# Altium PCB FIT_TDC_ADC.PcbDoc (part 8 of 10) (continued)
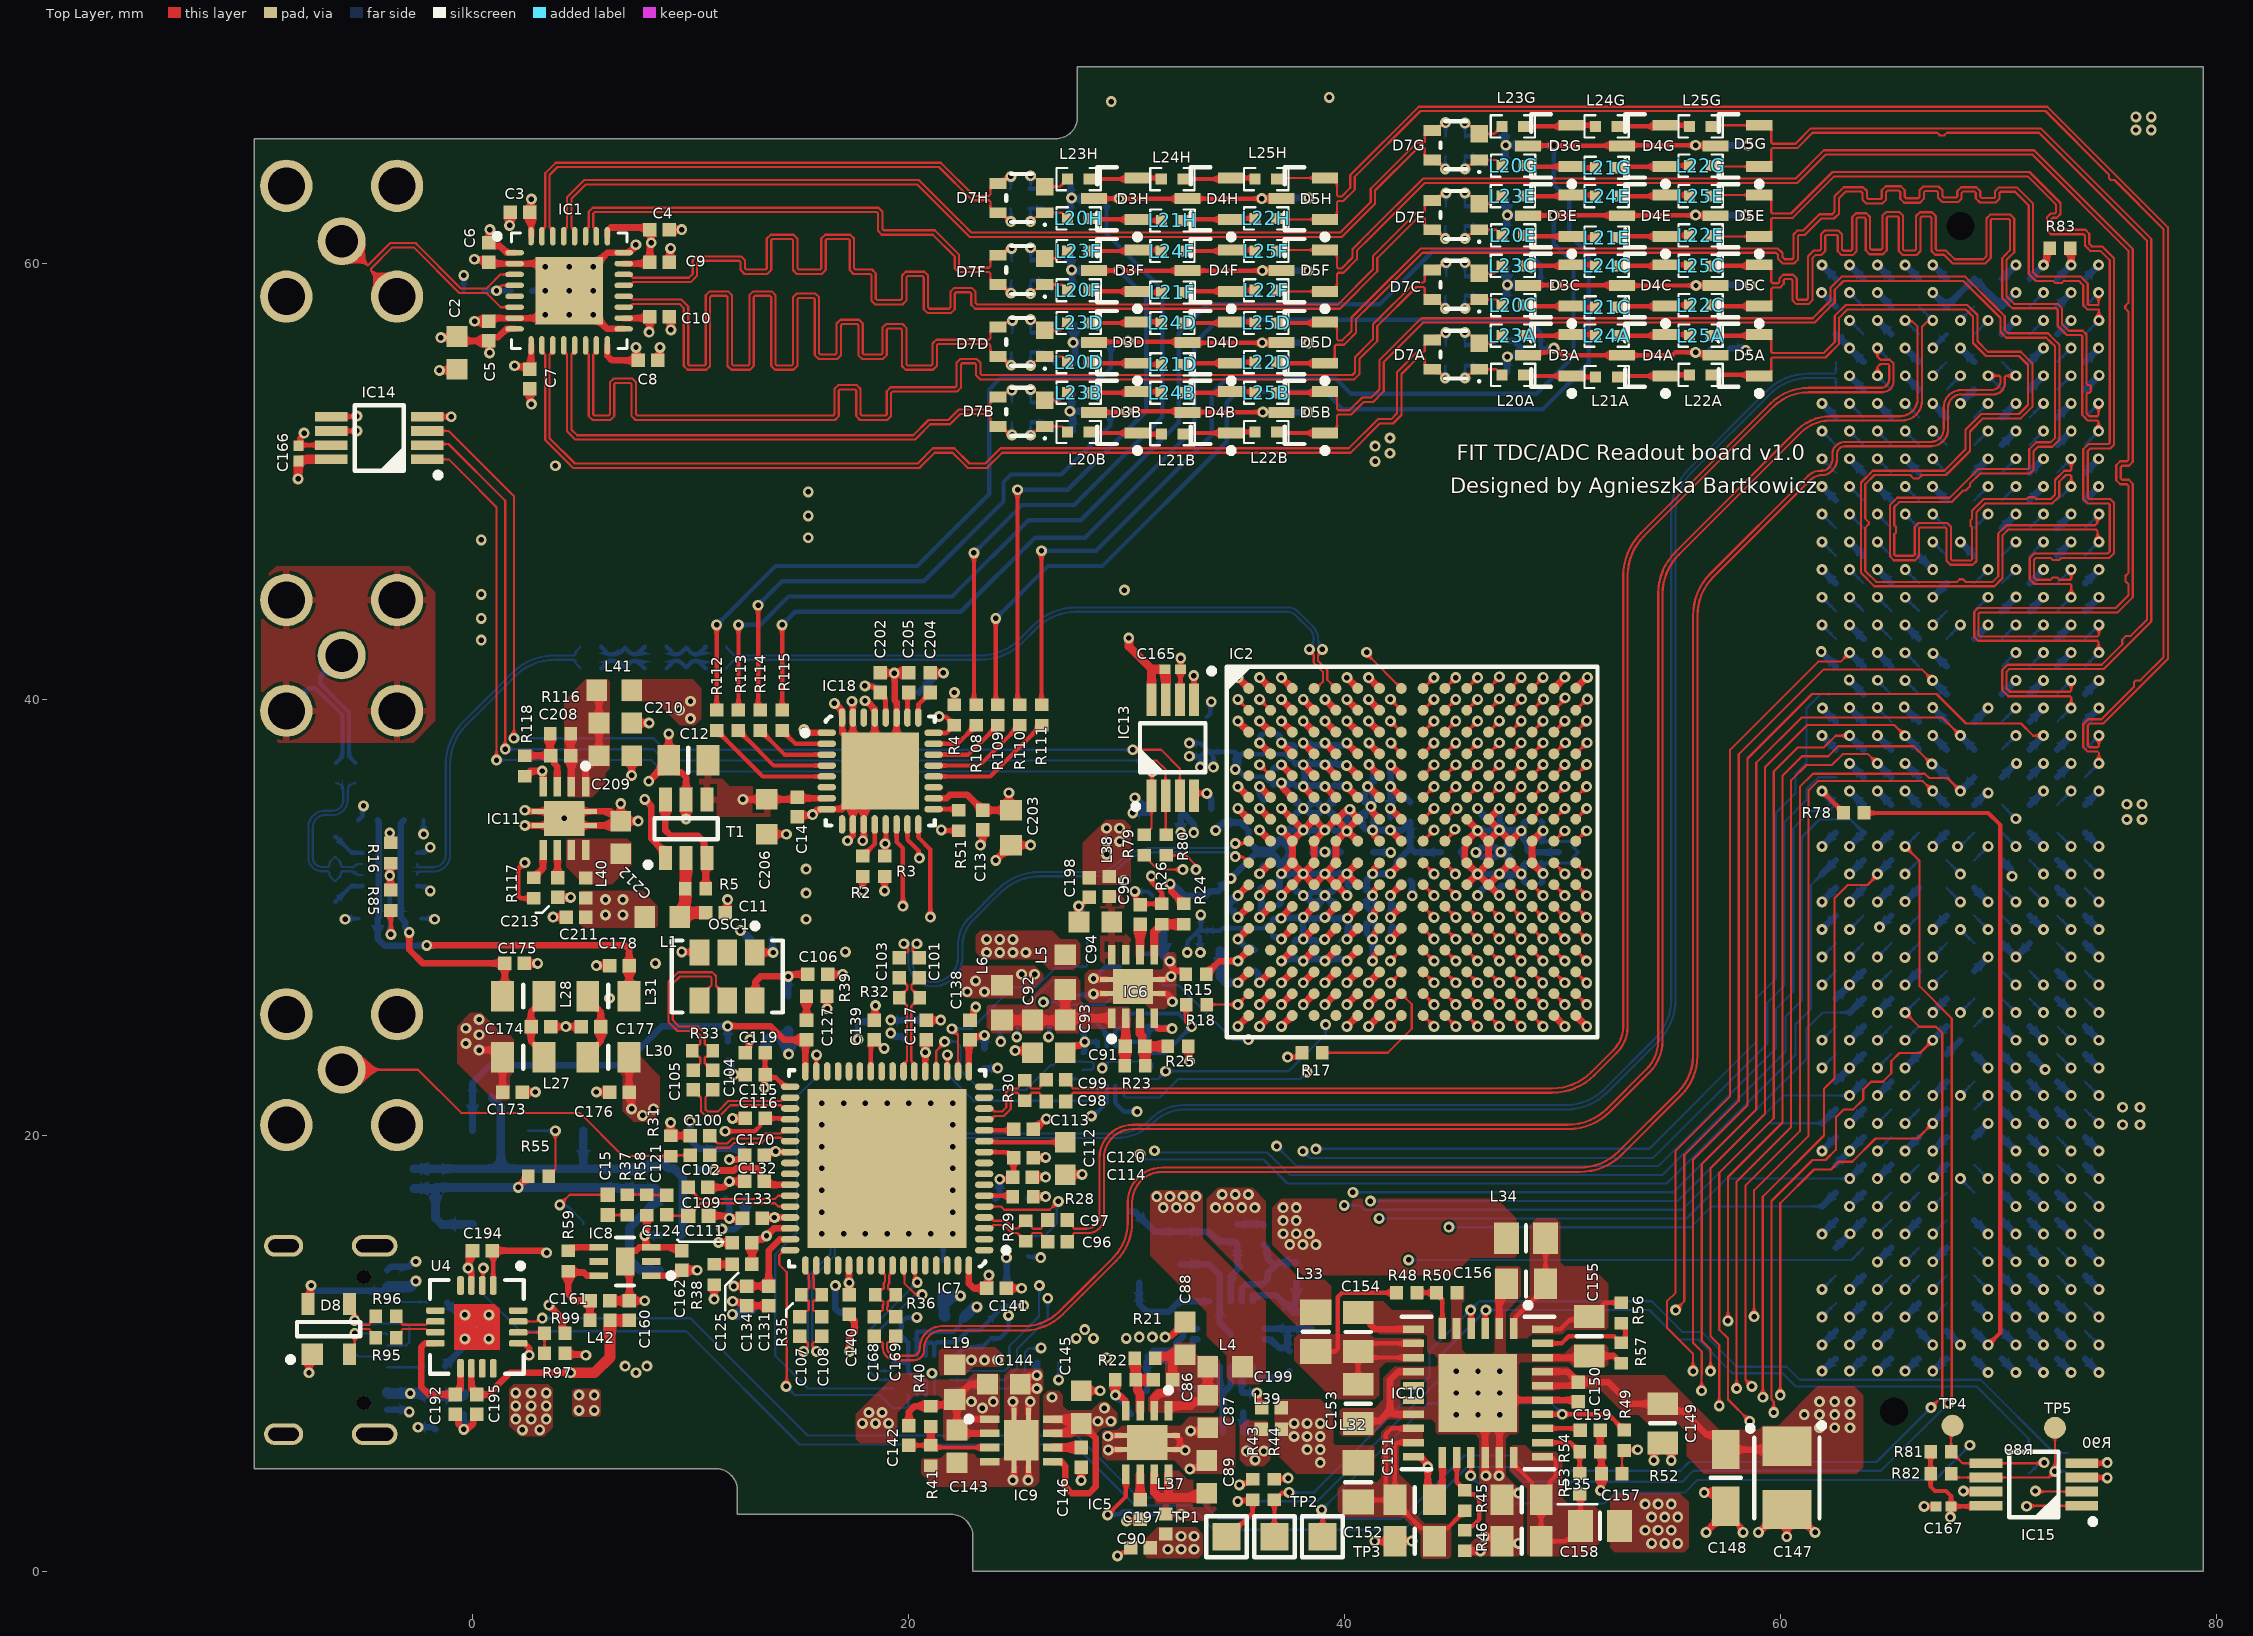
[diagram p0: Top Layer view]
## Nets (pads, with @x,y where several pads share a name; then routed paths per layer and width w, separated by ;. In a path a pad name is that pad's centre, name@x,y a point inside that pad or via, vN(x,y) a via of type N, cw(c..) or ccw(c..) an arc to the next point about the centre after c; other vN are vias at no path point) (continued)
LA25_N: J4.g28 | length 0.9
  Bottom Layer w0.1: v2(65.71,24.349) J4.g28@66.345,24.984
LA25_P: J4.g27 U4.15 | length 91.8
  Top Layer w0.1: U4.15@2.1,11.45 2.942,11.45 3.092,11.6 v1(3.2,11.6) ; v2(65.71,25.619) 66.36,24.969 67.131,24.969 67.413,24.687 67.413,8.013 v1(66.9,7.5)
  Bottom Layer w0.1: v1(3.2,11.6) 10,11.6 15.382,6.218 27.71,6.218 30.556,3.371 33.229,3.371 34.2,2.4 42.6,2.4 45.5,5.3 47.7,5.3 48.4,4.6 55.4,4.6 55.8,5 64.4,5 v1(66.9,7.5) ; v2(65.71,25.619) J4.g27@66.345,26.254
N2V5FRONTEND: C171.2 C172.2 C178.2 IC3.3 IC3.8 L31.2 | length 19.4
  Top Layer w0.3: v1(-2.1,28.7) 7,28.7 7.185,28.515 C178.2@7.185,27.774 L31.2@7.185,26.374
  Bottom Layer w0.3: C172.2@-4.345,34.436 -4.295,34.386 IC3.8@-4.295,33.436 IC3.3@-4.295,30.936 -4.295,29.986 C171.2@-4.345,29.936 -4.345,28.999 -4.034,28.688 -2.112,28.688 v1(-2.1,28.7)
NetC1_1: C1.1 IC1.4 R1.2 | length 2.2
  Top Layer w0.1: v1(1.1,58.729) 1.345,58.974 IC1.4@1.935,58.974
  Bottom Layer w0.2: C1.1@0.5,58.729 v1(1.1,58.729) R1.2@1.8,58.729
NetC11_2: C11.2 L1.2 R5.2 T1.2 | length 3.8
  Top Layer w0.5: L1.2@9.5,30 9.5,30.025 9.76,30.285 R5.2@9.76,31.3 9.76,32.66 T1.2@9.8,32.7 ; L1.2@9.7,30.2 C11.2@10.7,30.2
NetC15_1: C15.1 OSC2.4 | length 3.9
  Top Layer w0.1: v1(4,16.8) 4.46,17.26 C15.1@6.2,17.26
  Bottom Layer w0.1: v1(4,16.8) 4.05,16.75 4.355,16.75 5.08,16.025 OSC2.4@5.08,15.9
NetC15_2: C15.2 R37.1 | length 0.9
  Top Layer w0.1: C15.2@6.2,16.34 6.21,16.33 R37.1@7.1,16.33
NetC20_2: C20.2 IC2.D2 | length 1.1
  Top Layer w0.3: v1(36.104,37.985) IC2.D2@36.604,37.485
  Bottom Layer w0.3: v1(36.104,37.985) 36.142,38.024 36.142,38.294 36.217,38.369 C20.2@36.22,38.369
NetC21_2: C21.2 IC4.1 | length 2.2
  Bottom Layer w0.3: IC4.1@35.785,9.374 35.785,9.05 35.961,8.874 37.185,8.874 C21.2@37.485,9.174
NetC22_2: C22.2 C23.2 C176.2 D6.2 IC4.8 L30.1 R20.1 R87.2 | length 10.8
  Top Layer w0.3: L30.1@7.185,23.574 C176.2@7.185,21.974 7.3,21.859 v1(7.3,21.2)
  Bottom Layer w0.3: D6.2@30.185,16.514 30.34,16.514 31.28,15.574 C23.2@33.785,15.574 34.247,15.112 34.947,15.112 R87.2@35.085,14.974 35.085,14.074 R20.1@35.185,13.974 35.185,13.924 34.785,13.524 IC4.8@34.785,12.374
  other v1: 7.5,9.1 7,9.4 8,9.4 27.685,10.674 28.485,10.674 28.085,11.074 7.8,20.9 8.3,21.2
NetC24_2: C24.2 IC4.5 L36.2 | length 2.2
  Bottom Layer w0.3: C24.2@32.435,8.374 33.485,8.374 33.785,8.674 IC4.5@33.785,9.374
NetC25_2: C25.2 C181.2 IC4.10 R19.1 | length 4.7
  Bottom Layer w0.3: IC4.10@35.785,12.374 35.785,12.643 36.867,12.643 C25.2@37.485,12.024 ; R19.1@37.785,13.234 37.785,12.324 C25.2@37.485,12.024 ; C181.2@38.485,12.024 38.338,11.878 37.631,11.878 C25.2@37.485,12.024
NetC86_1: C86.1 IC5.3 R21.1 R22.2 | length 3.2
  Top Layer w0.4: R21.1@30.38,9.769 30.42,9.729 R22.2@30.42,8.769 ; IC5.3@30.622,7.348 30.622,8.137 30.51,8.249 30.51,8.769 C86.1@31.22,8.769
NetC86_2: C86.2 C87.2 C88.2 IC5.1 IC5.2 L4.1 R21.2 | length 7.7
  Top Layer w0.4: IC5.2@31.272,7.348 31.272,7.925 31.506,8.159 31.654,8.159 31.669,8.174 31.885,8.174 32.01,8.299 32.01,8.659 C86.2@32.12,8.769 32.12,9.669 32.32,9.869 31.41,9.869 31.32,9.779 R21.2@31.32,9.769 ; IC5.1@31.922,7.348 31.922,7.557 31.947,7.582 32.933,7.582 33.146,7.794 33.445,7.794 C87.2@33.72,8.069 L4.1@33.72,9.369
NetC89_2: C89.2 IC5.5 IC5.7 IC5.8 L37.2 | length 10.3
  Top Layer w0.2: v1(29.13,2.574) 29.972,3.417 IC5.5@29.972,4.448
  Top Layer w0.4: IC5.7@31.272,4.448 31.272,3.609 31.506,3.374 31.985,3.374 ; IC5.8@31.922,4.448 31.922,3.437 31.985,3.374 ; C89.2@33.685,3.574 33.485,3.374 31.985,3.374
  Bottom Layer w0.2: v1(29.13,2.574) 29.155,2.6 29.664,2.6 29.814,2.75 30.186,2.75 30.336,2.6 v1(32.5,2.6)
NetC90_2: C90.2 IC5.6 | length 1.2
  Top Layer w0.4: C90.2@30.62,3.269 30.62,4.446 IC5.6@30.622,4.448
NetC91_1: C91.1 IC6.3 R23.1 R25.2 | length 3.2
  Top Layer w0.4: IC6.3@30.618,25.363 30.618,24.641 30.725,24.534 C91.1@30.725,24.184 ; R23.1@30.855,23.174 30.855,24.074 R25.2@31.885,24.074
NetC91_2: C91.2 C92.2 C93.2 IC6.1 IC6.2 L5.1 L6.1 R23.2 | length 8.7
  Top Layer w0.4: L6.1@24.285,25.274 C92.2@25.685,25.274 C93.2@27.185,25.274 ; L5.1@27.185,26.674 C93.2@27.185,25.274 ; IC6.1@29.318,25.363 27.274,25.363 C93.2@27.185,25.274 ; R23.2@29.915,23.174 29.925,23.184 29.925,24.064 C91.2@29.935,24.074 29.968,24.107 IC6.2@29.968,25.363
NetC94_2: C94.2 IC6.7 IC6.8 L38.2
NetC95_2: C95.2 IC6.6 | length 1.4
  Top Layer w0.4: IC6.6@30.618,28.263 30.618,29.667 C95.2@30.62,29.669
NetC100_2: C100.2 IC7.37 | length 4.1
  Top Layer w0.1: C100.2@10.885,19.974 11.245,19.614 11.691,19.614 11.918,19.842 13.187,19.842 13.42,20.074 14.136,20.074 14.281,20.219 IC7.37@14.57,20.219
NetC102_1: C102.1 J2.1 R31.2 | length 17.6
  Top Layer w0.1: J2.1@-6,23 -2.5,23 -0.517,21.017 4.917,21.017 6.9,19.034 R31.2@9.085,19.034 9.125,19.074 C102.1@9.985,19.074
NetC102_2: C102.2 IC7.38 | length 4.1
  Top Layer w0.1: C102.2@10.885,19.074 11.225,19.414 11.773,19.414 12.001,19.642 13.27,19.642 13.503,19.874 14.136,19.874 14.291,19.719 IC7.38@14.57,19.719
NetC106_2: C106.2 L7.2 OSC1.6 | length 4.3
  Top Layer w0.3: OSC1.6@12.955,26.174 12.983,26.203 12.983,27.049 13.209,27.274 v1(14.485,27.274) 14.585,27.374 C106.2@15.385,27.374
  Bottom Layer w0.3: L7.2@14.485,26.374 v1(14.485,27.274)
NetC112_2: C112.2 IC7.11 | length 3.7
  Top Layer w0.2: IC7.11@23.47,19.719 23.489,19.7 23.835,19.7 23.861,19.674 C112.2@27.185,19.674
NetC113_2: C113.2 IC7.12 | length 1.5
  Top Layer w0.2: IC7.12@23.47,20.219 24.12,20.219 ; 24.285,20.219 24.12,20.219 ; C113.2@24.82,20.269 24.77,20.219 24.12,20.219
NetC121_2: C121.2 R37.2 R58.2 | length 1.8
  Top Layer w0.1: R37.2@7.1,17.27 R58.2@8,17.27 8.02,17.25 C121.2@8.9,17.25
NetC125_1: C125.1 R38.2 | length 0.8
  Top Layer w0.3: R38.2@11.085,14.074 11.087,14.072 11.917,14.072 C125.1@11.92,14.069
NetC127_1: C127.1 R39.2 | length 1.1
  Top Layer w0.3: C127.1@15.32,25.269 R39.2@15.32,26.369
NetC142_1: C142.1 IC9.3 R40.1 R41.2 | length 4.6
  Top Layer w0.2: C142.1@20.02,5.769 R41.2@21.02,5.769 21.12,5.669 IC9.3@23.72,5.669
  Top Layer w0.3: R41.2@21.02,5.769 R40.1@21.02,6.629
NetC145_2: C145.2 IC9.5 IC9.7 IC9.8 L39.2 | length 9.3
  Top Layer w0.3: IC9.5@26.62,5.019 26.645,4.994 27.009,4.994 27.185,4.819 27.185,3.874 27.485,3.574 28.285,3.574 28.585,3.874 28.585,6.104 C145.2@27.92,6.769
  Top Layer w0.4: IC9.7@26.62,6.319 27.47,6.319 C145.2@27.92,6.769 27.72,6.969 IC9.8@26.62,6.969
  other v1: 35.9,5.1 35.5,5.5 36.3,5.5 28.685,6.874 29.285,6.874 28.985,7.474 26.585,7.974
NetC146_2: C146.2 IC9.6 | length 1.3
  Top Layer w0.4: IC9.6@26.62,5.669 C146.2@27.92,5.669
NetC151_2: C151.2 C152.2 IC10.14 IC10.15 L32.1 R45.2 | length 14.4
  Top Layer w0.2: L32.1@40.62,3.169 40.72,3.269 C151.2@42.32,3.269 ; IC10.15@43.157,5.894 42.422,5.894 42.305,5.777 C151.2@42.305,3.284 ; IC10.14@43.157,6.544 42.155,6.544 41.885,6.274 41.885,3.986 41.895,3.976 41.895,3.694 C151.2@42.305,3.284 ; C152.2@44.12,1.369 C152.2@44.12,1.544 ; R45.2@45.52,2.769 45.5,2.769 45.31,2.579 45.31,2.559 44.72,1.969 44.545,1.969 C152.2@44.12,1.544 ; C151.2@42.305,3.284 C151.2@42.32,3.269 ; C151.2@42.32,3.269 42.32,3.094 42.745,2.669 42.82,2.669 43.52,1.969 43.695,1.969 C152.2@44.12,1.544
NetC153_2: C153.2 C154.2 IC10.8 IC10.9 L33.1 R48.2 | length 13.2
  Top Layer w0.2: L33.1@38.685,10.074 39.568,10.074 39.685,10.191 39.685,12.574 39.88,12.769 R48.2@42.38,12.769 ; C154.2@40.52,9.969 C154.2@40.62,10.069 ; C153.2@40.62,8.569 C154.2@40.62,10.069 ; IC10.9@43.157,9.794 40.895,9.794 C154.2@40.62,10.069 ; IC10.8@43.157,10.444 40.995,10.444 C154.2@40.62,10.069
NetC155_2: C155.2 C156.2 IC10.1 IC10.32 L34.1 R56.2 | length 8.9
  Top Layer w0.2: IC10.1@47.753,11.132 47.828,11.207 47.828,11.617 48.78,12.569 48.795,12.569 49.22,12.994 C156.2@49.22,13.169 L34.1@49.22,15.269 ; IC10.32@49.082,11.094 49.905,11.094 50.337,11.526 51.077,11.526 C155.2@51.22,11.669 51.395,11.669 51.82,12.094 51.82,12.197 51.937,12.314 R56.2@52.685,12.314
NetC157_2: C157.2 C158.2 IC10.22 IC10.23 L35.1 R53.2 | length 10.8
  Top Layer w0.2: IC10.22@47.753,5.207 47.753,4.894 47.828,4.819 47.84,4.819 48.595,4.064 48.595,3.694 C157.2@49.02,3.269 ; IC10.23@49.082,5.244 49.157,5.169 49.573,5.169 49.69,5.052 49.69,4.379 49.424,4.114 49.424,3.674 C157.2@49.02,3.269 ; R53.2@50.785,3.534 50.82,3.499 L35.1@50.82,2.069 50.82,1.845 50.445,1.47 50.22,1.47 50.12,1.369 C158.2@49.02,1.369 C157.2@49.02,3.269
NetC159_2: C159.2 IC10.25 | length 1.8
  Top Layer w0.2: IC10.25@49.082,6.544 50.745,6.544 C159.2@50.82,6.469
NetC161_2: C161.2 IC8.6 L42.2 R59.2 | length 4.6
  Top Layer w0.3: L42.2@5.38,11.5 5.39,11.51 5.39,12.39 C161.2@5.4,12.4 4.7,12.4 4.4,12.7 R59.2@4.4,13.76 4.46,13.7 5.1,13.7 5.25,13.55 IC8.6@5.8,13.55
NetC162_2: C162.2 IC8.1 L43.1 | length 3
  Top Layer w0.3: IC8.1@8.2,13.55 9.35,13.55 C162.2@9.6,13.8
  Top Layer w0.4: C162.2@9.6,13.8 v1(10.3,13.8)
  Bottom Layer w0.4: L43.1@9.5,13.8 v1(10.3,13.8)
NetC174_2: C174.2 L27.2 L28.1 | length 3.4
  Top Layer w0.3: L27.2@3.285,23.574 3.285,23.749 2.91,24.124 2.861,24.124 2.685,24.3 C174.2@2.685,24.974 2.685,25.649 2.861,25.824 2.91,25.824 3.285,26.199 L28.1@3.285,26.374
NetC177_2: C177.2 L30.2 L31.1 | length 3.4
  Top Layer w0.3: L30.2@5.285,23.574 5.285,23.749 5.66,24.124 5.709,24.124 5.885,24.3 C177.2@5.885,24.974 5.885,25.649 5.709,25.824 5.66,25.824 5.285,26.199 L31.1@5.285,26.374
NetC179_1: C179.1 IC4.9 R19.2 R20.2 | length 5
  Bottom Layer w0.3: IC4.9@35.285,12.374 35.285,12.974 35.467,13.156 36.248,13.156 36.485,13.393 36.485,13.674 R20.2@36.785,13.974 ; C179.1@36.285,14.974 36.445,14.814 36.445,14.364 36.785,14.024 R20.2@36.785,13.974 ; R19.2@37.785,14.174 36.985,14.174 R20.2@36.785,13.974
NetC179_2: C179.2 R87.1 | length 1.2
  Bottom Layer w0.3: R87.1@35.085,15.914 36.245,15.914 C179.2@36.285,15.874
NetC180_2: C180.2 IC4.3 IC4.4 R86.1 R88.1 | length 4.4
  Bottom Layer w0.3: IC4.4@34.285,9.374 34.285,8.324 C180.2@34.435,8.174 ; R86.1@34.415,6.374 R88.1@34.415,7.274 34.415,8.154 C180.2@34.435,8.174 ; IC4.3@34.785,9.374 34.785,8.598 34.775,8.588 34.775,8.514 C180.2@34.435,8.174
NetC192_2: C192.2 U4.8 U4.9 | length 5.5
  Top Layer w0.3: U4.8@-1.7,10.45 -2.174,10.45 -2.35,10.274 -2.35,8.45 -2,8.1 C192.2@-0.8,8.1 -0.55,8.35 U4.9@-0.55,9.3
NetC204_2: C204.2 IC18.25 | length 1.4
  Top Layer w0.2: IC18.25@20.45,39.15 20.45,39.75 C204.2@21,40.3
NetC205_2: C205.2 IC18.26 | length 1.2
  Top Layer w0.2: IC18.26@19.95,39.15 19.95,40.25 C205.2@20,40.3
NetC208_1: C208.1 IC11.3 R116.1 R118.2 | length 3.8
  Top Layer w0.3: R118.2@2.4,37.4 C208.1@3.6,37.4 ; R116.1@3.56,38.4 3.56,37.44 C208.1@3.6,37.4 ; IC11.3@3.888,35.975 3.888,36.901 3.76,37.028 3.76,37.24 C208.1@3.6,37.4
NetC208_2: C208.2 C209.2 C210.2 IC11.1 IC11.2 L41.1 R116.2 | length 7.2
  Top Layer w0.3: R116.2@4.5,38.4 C208.2@4.5,37.4 4.538,37.362 IC11.2@4.538,35.975 ; IC11.1@5.188,35.975 5.188,36.787 C209.2@5.8,37.4 C210.2@5.8,38.9 5.8,40.3 L41.1@5.7,40.4
NetC212_2: C212.2 IC11.7 IC11.8 L40.2
NetC213_2: C213.2 IC11.6 | length 1.3
  Top Layer w0.3: IC11.6@3.888,33.075 3.9,33.063 C213.2@3.9,31.8
NetD6_1: D6.1 IC4.6 L29.1 | length 4.5
  Bottom Layer w0.3: D6.1@30.585,13.234 30.585,12.239 30.935,11.889 L29.1@30.985,11.889 31.935,11.889 32.42,12.374 IC4.6@33.785,12.374
NetIC2_M1: IC2.M1 R14.2 | length 1.7
  Top Layer w0.3: v1(35.104,28.985) IC2.M1@35.604,29.485
  Bottom Layer w0.3: v1(35.104,28.985) 35.475,28.614 35.745,28.614 R14.2@35.885,28.474
NetIC2_N1: IC2.N1 R15.2 | length 2.4
  Top Layer w0.1: v1@35.093,27.974 v1(35.104,27.985)
  Top Layer w0.3: R15.2@33.655,27.374 34.255,27.974 v1@35.093,27.974 ; v1(35.104,27.985) IC2.N1@35.604,28.485
NetIC3_2: IC3.2 R85.2 | length 2.9
  Top Layer w0.2: v1(-3.74,29.201) R85.2@-3.74,30.301
  Bottom Layer w0.2: IC3.2@-3.795,30.936 -3.795,29.256 v1(-3.74,29.201)
NetIC3_4: IC3.4 R6.1 | length 1.6
  Bottom Layer w0.2: R6.1@-6.3,30.71 -6.28,30.71 -5.573,31.417 -5.064,31.417 IC3.4@-5.045,31.436
NetIC3_7: IC3.7 R13.1 | length 1.6
  Bottom Layer w0.2: R13.1@-6.3,33.69 -6.28,33.69 -5.545,32.955 -5.064,32.955 IC3.7@-5.045,32.936
NetIC3_9: IC3.9 R16.2 | length 0.4
  Bottom Layer w0.3: IC3.9@-3.795,33.436 v1(-3.795,33.856)
NetIC6_5: IC6.5 R24.2 R26.2 | length 2.6
  Top Layer w0.4: IC6.5@31.268,28.263 31.268,29.317 31.51,29.559 31.51,29.579 31.6,29.669 R26.2@31.62,29.669 R24.2@32.62,29.669
NetIC7_6: IC7.6 R28.2 | length 1.3
  Top Layer w0.2: IC7.6@23.47,17.219 24.74,17.219 R28.2@24.785,17.174
NetIC8_4: IC8.4 R59.1 | length 1.5
  Top Layer w0.3: R59.1@4.4,14.7 4.54,14.84 4.726,14.84 4.736,14.85 IC8.4@5.8,14.85
NetIC10_3: IC10.3 R43.1 R89.1 TP1.1 | length 47.4
  Top Layer w0.2: TP1.1@34.685,1.574 35.785,2.674 R43.1@35.785,3.274 35.751,3.24 35.14,3.24 v1(35.1,3.2) ; IC10.3@46.445,11.132 46.445,11.934 v1(46.485,11.974)
  Bottom Layer w0.1: v1@35.107,3.207 38.76,3.207 44.4,8.846 44.4,9.89 v1(46.485,11.974) 53.985,11.974 55.335,10.624 56.235,10.624 57.785,9.074 60.085,9.074 60.685,8.474 68.985,8.474 71.385,6.074 R89.1@71.385,5.414
NetIC10_4: IC10.4 R44.1 R90.1 TP2.1 | length 46.3
  Top Layer w0.2: TP2.1@36.785,1.574 R44.1@36.785,3.274 36.805,3.274 37.106,3.575 37.426,3.575 v1(37.458,3.607) ; v1(45.785,11.974) 45.807,11.952 IC10.4@45.807,11.132
  Bottom Layer w0.1: v1(37.458,3.607) 38.584,3.607 43.9,8.922 43.9,10.09 v1(45.785,11.974) 46.185,12.374 54.085,12.374 55.485,10.974 56.385,10.974 57.985,9.374 60.285,9.374 60.885,8.774 69.185,8.774 72.545,5.414 R90.1@73.185,5.414
NetIC10_6: IC10.6 R48.1 R50.2 | length 2.6
  Top Layer w0.2: R48.1@43.32,12.769 R50.2@44.22,12.769 44.22,12.749 44.487,12.482 IC10.6@44.487,11.132
NetIC10_18: IC10.18 R45.1 R46.2 | length 4.3
  Top Layer w0.2: IC10.18@45.145,5.207 45.145,4.084 45.31,3.919 45.31,3.899 45.69,3.519 45.94,3.519 46.185,3.274 46.185,2.374 45.87,2.059 45.71,2.059 R46.2@45.52,1.869
NetIC10_24: IC10.24 R53.1 R54.2 | length 2.9
  Top Layer w0.2: IC10.24@49.082,5.894 50.365,5.894 50.575,5.684 50.595,5.684 50.785,5.494 R54.2@50.785,5.474 R53.1@50.785,4.474
NetIC10_26: IC10.26 R49.2 TP3.1 | length 18.7
  Top Layer w0.2: v1(38.951,2.807) 39,2.758 TP3.1@39,1.476 ; IC10.26@49.082,7.194 v1(49.985,7.194) 52.095,7.194 52.61,6.679 52.61,6.659 52.8,6.469 R49.2@52.82,6.469
  Bottom Layer w0.1: v1(38.951,2.807) 43.844,7.7 49.479,7.7 v1(49.985,7.194)
NetIC10_31: IC10.31 R56.1 R57.2 | length 4.9
  Top Layer w0.2: IC10.31@49.082,10.444 49.955,10.444 50.285,10.774 52.365,10.774 52.665,10.474 R57.2@52.685,10.474 52.695,10.474 52.885,10.664 52.885,11.184 52.695,11.374 R56.1@52.685,11.374
NetIC11_5: IC11.5 R117.2 | length 1.5
  Top Layer w0.3: R117.2@2.8,31.8 2.82,31.8 2.96,31.94 2.96,31.96 3.238,32.238 IC11.5@3.238,33.075
NetIC13_1: IC13.1 IC14.1 R79.1 | length 49.1
  Top Layer w0.1: IC14.1@-2.08,50.994 -1.094,50.994 -0.5,50.4 1.1,48.8 v1(1.1,37.2) ; R79.1@30.82,33.769 30.84,33.769 31.08,34.009 31.08,34.029 31.145,34.094 IC13.1@31.145,35.569 31.145,36.634 v1(31.185,36.674)
  Bottom Layer w0.1: v1(1.1,37.2) 8.2,37.2 8.726,36.674 v1(31.185,36.674)
NetIC13_2: IC13.2 IC14.2 R80.1 | length 49.8
  Top Layer w0.1: IC14.2@-2.08,51.644 -2.025,51.7 -1.1,51.7 1.5,49.1 v1(1.5,37.7) ; v1(30.785,37.174) 31.385,37.174 31.785,36.774 31.785,35.579 IC13.2@31.795,35.569 31.795,33.794 R80.1@31.82,33.769
  Bottom Layer w0.1: v1(1.5,37.7) 8.3,37.7 8.826,37.174 v1(30.785,37.174)
NetIC18_2: IC18.2 R115.1 | length 2.3
  Top Layer w0.2: R115.1@14.2,38.56 14.22,38.56 14.46,38.32 14.46,38.3 14.81,37.95 IC18.2@16.25,37.95
NetIC18_3: IC18.3 R114.1 | length 3.5
  Top Layer w0.2: R114.1@13.2,38.56 13.22,38.56 13.46,38.32 13.46,38.3 14.31,37.45 IC18.3@16.25,37.45
NetIC18_4: IC18.4 R113.1 | length 4.7
  Top Layer w0.2: R113.1@12.2,38.56 12.22,38.56 12.46,38.32 12.46,38.3 13.81,36.95 IC18.4@16.25,36.95
NetIC18_5: IC18.5 R112.1 | length 5.9
  Top Layer w0.2: R112.1@11.2,38.56 11.22,38.56 11.46,38.32 11.46,38.3 13.31,36.45 IC18.5@16.25,36.45
NetIC18_12: IC18.12 R2.1 | length 1.7
  Top Layer w0.2: R2.1@17.9,32.8 17.92,32.8 18.11,32.99 18.11,33.01 18.45,33.35 IC18.12@18.45,34.25
NetIC18_17: IC18.17 R51.1 | length 1.2
  Top Layer w0.2: IC18.17@21.15,34.95 22.25,34.95 R51.1@22.3,34.9
NetIC18_20: IC18.20 R111.1 | length 5.9
  Top Layer w0.2: IC18.20@21.15,36.45 23.75,36.45 25.84,38.54 25.84,38.56 26.08,38.8 R111.1@26.1,38.8
NetIC18_21: IC18.21 R110.1 | length 4.7
  Top Layer w0.2: IC18.21@21.15,36.95 23.25,36.95 24.84,38.54 24.84,38.56 25.08,38.8 R110.1@25.1,38.8
NetIC18_22: IC18.22 R109.1 | length 3.5
  Top Layer w0.2: IC18.22@21.15,37.45 22.75,37.45 23.84,38.54 23.84,38.56 24.08,38.8 R109.1@24.1,38.8
NetIC18_23: IC18.23 R108.1 | length 2.3
  Top Layer w0.2: IC18.23@21.15,37.95 22.25,37.95 22.84,38.54 22.84,38.56 23.08,38.8 R108.1@23.1,38.8
NetJ5_A5: J5.A5 R98.1 | length 1.7
  Bottom Layer w0.1: J5.A5@-3.91,9.35 -2.25,9.35 R98.1@-2.2,9.4
NetJ5_B5: J5.B5 R100.1 | length 1.8
  Bottom Layer w0.1: J5.B5@-3.91,12.35 -2.15,12.35 R100.1@-2.1,12.3
NetOSC2_2: OSC2.2 R55.1 | length 3.5
  Top Layer w0.1: R55.1@3.5,18.1 3.5,18.12 3.74,18.36 3.741,18.36 3.8,18.419 v1(3.8,20.2)
  Bottom Layer w0.1: OSC2.2@2.54,20.2 v1(3.8,20.2)
NetR5_1: R5.1 T1.3 T1.6 | length 5.6
  Top Layer w0.3: T1.6@8.85,35.4 8.85,33.97 9.095,33.726 10.343,33.726 10.616,33.453 10.616,32.834 T1.3@10.75,32.7 10.7,32.65 R5.1@10.7,31.3
OSC_EN: OSC1.1 R34.2 | length 1.5
  Top Layer w0.3: OSC1.1@12.955,28.374 v1(13.785,28.374)
  Bottom Layer w0.3: R34.2@13.725,28.974 13.755,28.944 13.755,28.404 v1(13.785,28.374)
P1V8: C65.2 C66.2 C67.2 C68.2 C69.2 C70.2 C71.2 C72.2 C73.2 C74.2 C75.2 C76.2 C77.2 C185.2 C186.2 C201.2 C202.2 IC2.G11 IC2.G12 IC2.H11 IC2.H12 IC2.H13 IC2.J11 IC2.J12 IC2.J13 IC2.K11 IC2.K12 IC16.3 IC16.5 IC17.3 IC17.4 IC18.28 L35.2 R2.2 R3.2 R4.2 R17.1 R18.1 R51.2 R117.1 | length 52.1
  Top Layer w0.1: v1@46.084,33.966 v1(46.104,33.966) ; v1(47.104,31.976) v1@47.104,31.985 ; v1(48.104,31.976) v1@48.104,31.985
  Top Layer w0.2: v1(2.4,32.5) 2.1,32.2 2.1,30.977 2.217,30.86 R117.1@2.8,30.86 ; v1(17.9,31.2) R2.2@17.9,31.86 ; v1(18,40.6) 18.4,40.6 C202.2@18.7,40.3 18.95,40.05 IC18.28@18.95,39.15 ; v1(18.9,31.2) R3.2@18.9,31.86 ; v1(21.5,34) 21.54,33.96 R51.2@22.3,33.96 ; v1(22.1,40.3) R4.2@22.1,39.74 R4.2@22.12,39.74 ; R18.1@32.745,25.974 32.728,25.957 32.728,25.231 v1(32.985,24.974) ; v1(37.385,23.574) 37.845,23.574 R17.1@38.045,23.774
  Top Layer w0.3: IC2.K11@45.604,31.485 46.084,31.966 v1(46.104,31.966) ; IC2.G11@45.604,34.485 46.104,33.985 v1(46.104,33.966) 46.114,33.966 46.594,33.485 IC2.H12@46.604,33.485 ; v1@46.084,33.966 IC2.H11@45.604,33.485 45.566,33.447 45.566,33.219 45.52,33.173 45.52,32.623 45.604,32.539 IC2.J11@45.604,32.485 v1@46.104,31.985 ; v1(47.104,30.985) IC2.K12@46.604,31.485 ; v1(47.104,34.985) IC2.G12@46.604,34.485 v1(47.104,33.985) ; v1@48.104,31.985 IC2.J13@47.604,32.485 47.604,32.476 v1(47.104,31.976) 47.095,31.976 IC2.K12@46.604,31.485 ; v1(48.104,33.96) 48.091,33.96 47.617,33.485 IC2.H13@47.604,33.485 v1(47.104,33.985) ; v1(46.104,31.966) v1@46.104,31.985 ; v1(46.104,31.966) 46.123,31.966 IC2.K12@46.604,31.485 ; v1@46.104,31.985 IC2.J12@46.604,32.485 IC2.H12@46.604,33.485 ; IC2.H12@46.604,33.485 v1(47.104,33.985)
  Bottom Layer w0.2: v1(18,40.6) 18.6,40.6 C201.2@18.9,40.3 ; IC17.3@20.785,9.874 20.785,10.357 20.902,10.474 21.085,10.474 21.185,10.374 ; IC17.4@21.185,9.874 21.185,10.374 ; v1(25.285,12.174) 24.385,12.174 23.261,11.05 22.734,11.05 22.177,10.493 21.304,10.493 21.185,10.374 ; IC16.3@29.485,24.074 29.485,24.764 29.602,24.881 29.992,24.881 C185.2@30.085,24.974 30.085,25.457 30.202,25.574 32.385,25.574 v1(32.985,24.974) 31.785,23.774 IC16.5@30.585,23.774
  Bottom Layer w0.3: C77.2@43.02,31.669 43.104,31.585 v1(43.104,30.978) ; v1(47.104,30.985) 47.112,30.993 47.112,31.361 C68.2@47.12,31.369 47.195,31.444 47.444,31.444 47.604,31.604 47.604,31.953 C70.2@47.62,31.969 ; v1(47.104,31.976) 47.1,31.973 46.623,31.973 C74.2@46.62,31.969 ; v1(47.104,33.985) 47.112,33.977 47.612,33.977 47.625,33.964 48.099,33.964 v1(48.104,33.96) 48.104,33.924 48.22,33.808 48.22,33.544 48.295,33.469 C72.2@48.32,33.469 48.338,33.469 48.413,33.394 48.413,33.051 48.496,32.969 C76.2@49.82,32.969 ; v1(47.104,34.985) 47.112,34.977 47.112,34.577 C73.2@47.12,34.569 47.112,34.561 47.112,33.993 47.096,33.977 46.628,33.977 C67.2@46.62,33.969 C67.2@46.62,33.969 46.106,33.968 45.48,33.342 45.48,33.129 C75.2@45.32,32.969 45.48,32.809 45.48,32.59 v1(46.104,31.966) 46.106,31.968 46.618,31.968 C74.2@46.62,31.969 ; v1@48.104,33.979 48.104,34.033 48.22,34.149 48.22,34.294 48.295,34.369 C66.2@48.32,34.369 ; C65.2@48.32,31.569 48.295,31.569 48.22,31.644 48.22,31.806 48.104,31.922 v1(48.104,31.976) ; C69.2@48.32,32.469 48.295,32.469 48.22,32.394 48.22,32.146 48.104,32.03 v1(48.104,31.976) ; C74.2@46.62,31.969 C70.2@47.62,31.969 ; C70.2@47.62,31.969 48.097,31.969 v1(48.104,31.976)
  other v1: 54.085,1.274 54.685,1.274 55.285,1.274 53.785,1.874 54.385,1.874 54.985,1.874 54.085,2.474 54.685,2.474 55.285,2.474 53.785,3.074 54.385,3.074 54.985,3.074 75.685,20.474 76.485,20.474 75.685,21.274 76.485,21.274 75.885,34.474 76.585,34.474 75.885,35.174 76.585,35.174 41.4,50.9 42.085,51.274 41.4,51.6 42.085,51.974 76.3,66.1 77,66.1 76.3,66.7 77,66.7
P1V8A: C198.2 L34.2 L38.1
  other v1: 37.485,14.974 38.085,14.974 38.685,14.974 37.185,15.474 37.785,15.474 38.385,15.474 37.185,16.074 37.785,16.074 37.185,16.674 37.785,16.674 29.885,31.674 29.085,32.874 29.085,33.474 29.685,33.474 29.085,34.074 29.685,34.074
P2V5: C1.2 C2.2 C3.2 C4.2 C5.2 C6.2 C7.2 C8.2 C9.2 C10.2 C173.2 C197.2 IC1.1 IC1.8 IC1.9 IC1.16 IC1.18 IC1.23 IC1.25 IC1.32 L27.1 L33.2 L37.1 | length 23.1
  Top Layer w0.3: v1(-1.45,56.579) -0.76,56.579 C2.2@-0.715,56.624 -0.515,56.424 C5.2@0.735,56.424 ; v1(0.3,23.9) 1.141,23.9 1.385,23.656 C173.2@1.385,21.974 ; v1(0.785,55.874) 0.76,55.899 0.76,56.399 C5.2@0.735,56.424 ; v1(0.8,61.529) 0.779,61.509 0.779,60.969 C6.2@0.735,60.924 0.878,60.781 1.248,60.781 1.555,60.474 IC1.1@1.935,60.474 ; v1(1.932,55.286) 1.97,55.247 2.512,55.247 C7.2@2.635,55.124 2.685,55.174 IC1.9@2.685,56.224 ; IC1.8@1.935,56.974 1.545,56.974 1.155,56.584 0.895,56.584 C5.2@0.735,56.424 ; IC1.32@2.685,61.224 2.685,62.274 C3.2@2.635,62.324 2.679,62.369 2.679,62.909 v1(2.7,62.929) ; IC1.16@6.185,56.224 6.185,55.744 6.4,55.529 C8.2@7.6,55.529 7.522,55.607 7.522,56.107 v1(7.5,56.129) ; IC1.25@6.185,61.224 6.185,61.474 6.34,61.629 8.03,61.629 C4.2@8.135,61.524 8.189,61.47 8.189,60.94 v1(8.2,60.929) 8.2,60.875 8.135,60.81 C9.2@8.135,60.024 ; IC1.18@6.935,57.474 8.085,57.474 C10.2@8.135,57.524 8.135,56.864 v1(8.1,56.829) ; IC1.23@6.935,59.974 C9.2@8.085,59.974
  Bottom Layer w0.2: C1.2@-0.4,58.729 v1(-0.4,59.429)
  other v1: 31.9,1 32.5,1 33.1,1 32.5,1.6 33.1,1.6 2.285,6.474 3.085,6.474 1.985,6.974 2.685,6.974 3.385,6.974 1.985,7.574 2.685,7.574 3.385,7.574 1.985,8.174 2.685,8.174 3.385,8.174 34.085,16.674 34.685,16.674 35.285,16.674 35.885,16.674 34.385,17.274 34.985,17.274 35.585,17.274 -0.3,24.2 0.3,24.6 -0.3,24.9 0.3,25.3
P2V5FRONTEND: C18.2 C19.2 C175.2 IC3.1 IC3.10 L28.2 | length 12.3
  Top Layer w0.3: v1(-2.9,29.3) -2.9,28.5 -2.274,27.874 C175.2@1.485,27.874 1.485,26.474 L28.2@1.385,26.374
  Bottom Layer w0.3: C19.2@-3.145,34.436 -3.295,34.286 IC3.10@-3.295,33.436 IC3.1@-3.295,30.936 -3.295,29.986 C18.2@-3.245,29.936 -3.085,29.776 -3.085,29.539 -2.9,29.354 v1(-2.9,29.3)
P3V3_PLL_VXCO: C122.2 C123.2 C128.2 C135.2 C136.2 L43.2 OSC2.6 R55.2 | length 20.6
  Top Layer w0.3: v1(2.1,17.6) 2.1,17.64 2.4,17.94 2.42,17.94 2.56,18.08 R55.2@2.56,18.1
  Bottom Layer w0.4: C123.2@-2.7,17.55 C122.2@-1.7,17.55 ; OSC2.6@0,15.9 -1.4,15.9 -1.7,16.2 C122.2@-1.7,17.55 ; L43.2@8.58,13.8 7.7,13.8 7.2,14.3 7.2,15.75 C128.2@8.7,17.25 8.4,17.55 C136.2@7.7,17.55 C135.2@6.7,17.55 6.65,17.6 -1.65,17.6 C122.2@-1.7,17.55
P3V3AUX: C165.1 C166.1 C167.1 IC13.7 IC13.8 IC14.8 IC15.8 J4.d32 R43.2 R44.2 R81.2 R82.2 | length 15.2
  Top Layer w0.2: v1(35.173,3.958) 35.254,3.958 35.321,4.024 35.595,4.024 R43.2@35.785,4.214 ; R44.2@36.785,4.214 36.81,4.239 37.389,4.239 v1(37.413,4.264) ; R81.2@66.88,5.469 R82.2@66.88,4.469 66.88,3.879 67.085,3.674 67.585,3.674 67.82,3.439 C167.1@67.82,2.969 ; v1(67.785,2.474) 67.82,2.509 C167.1@67.82,2.969 ; IC15.8@69.42,2.994 69.395,2.969 C167.1@67.82,2.969
  Top Layer w0.4: v1(-8,50.1) -8,50.925 -7.955,50.969 -7.855,50.969 -7.83,50.994 IC14.8@-6.48,50.994 ; v1(30.1,42.8) 30.111,42.789 30.111,42.409 31.145,41.374 ; IC13.8@31.145,39.969 31.145,41.374 ; IC13.7@31.795,39.969 31.795,41.344 C165.1@31.77,41.369 31.29,41.369 31.285,41.374 31.145,41.374
  Bottom Layer w0.3: J4.d32@70.155,19.904 v1(70.79,19.269)
  other v1: 29.9,45
P5V0: C160.2 C195.2 C196.2 C199.2 L32.2 L36.1 L39.1 L42.1 R86.2 R88.2 U4.10 | length 14
  Top Layer w0.3: U4.10@-0.05,9.3 -0.05,8.35 C195.2@0.2,8.1 0.722,8.1 1.722,9.1 v1(4.5,9.1)
  Top Layer w0.5: v1(4.5,9.1) 5.6,9.1 6.3,9.8 L42.1@6.3,11.5 C160.2@7.2,11.5
  Bottom Layer w0.3: R88.2@35.355,7.274 R86.2@35.355,6.374 37.431,6.374 37.631,6.174 v1(37.685,6.174)
  other v1: 38.885,4.974 38.285,5.574 38.885,5.574 38.285,6.174 38.885,6.174 37.685,6.774 38.285,6.774 38.885,6.774
P5V0_AVP: C13.2 C203.2 IC18.1 IC18.18 L41.2 T1.1 | length 8.9
  Top Layer w0.3: v1(7.9,35.4) 8.2,35.1 8.2,33.6 8.7,33.1 8.85,32.95 T1.1@8.85,32.7 ; v1(15.2,38.6) 15.35,38.45 IC18.1@16.25,38.45 ; IC18.18@21.15,35.45 21.75,35.45 21.9,35.6 22.7,35.6 C13.2@23.4,34.9 C203.2@24.7,34.9 24.6,35 v1(24.6,35.7)
  other v1: 10,39.1 9.5,39.5 10,39.9
P5V0_USB: C193.2 C200.2 D8.4 J5.A4-B9 J5.B4-A9 R97.1 | length 26.3
  Top Layer w0.3: D8.4@-7.55,12.25 -7.438,12.362 -7.438,13.062 v1(-7.4,13.1) ; R97.1@4.24,10 4.302,9.938 5.162,9.938 v1(5.2,9.9)
  SIGNAL2 w0.3: v1(-2.6,13.3) 3.7,13.3 5.2,11.8 v1(5.2,9.9)
  SIGNAL5 w0.5: v1(-2.855,8.15) -2.855,10.545 -2.6,10.8 v1(-2.6,13.3)
  Bottom Layer w0.3: v1(-7.4,13.1) -7.4,13.046 -7.224,12.87 -7.224,12.85 -4.06,12.85 J5.B4-A9@-3.91,13
  Bottom Layer w0.5: J5.A4-B9@-3.91,8.2 -3.86,8.15 v1(-2.855,8.15) -1.85,8.15 C200.2@-1.7,8 -1.65,8.05 -0.45,8.05 C193.2@-0.4,8.1 ; J5.B4-A9@-3.91,13 -3.86,13.05 -2.85,13.05 v1(-2.6,13.3)
P12V0: C147.1 C148.1 C149.2 C150.2 C211.2 IC10.28 IC10.29 J4.c35 J4.c37 L1.1 L40.1 | length 16.4
  Top Layer w0.3: IC10.28@49.082,8.494 50.545,8.494 C150.2@50.72,8.669 ; IC10.29@49.082,9.144 50.245,9.144 C150.2@50.72,8.669 ; C147.1@60.285,5.724 60.135,5.574 C148.1@57.485,5.574 57.485,5.78 57.01,6.255 56.604,6.255 55.516,7.344 54.916,7.344 C149.2@54.585,7.674 53.085,7.674 52.09,8.669 C150.2@50.72,8.669
  Bottom Layer w0.3: J4.c37@71.425,13.554 v1(72.06,12.919) ; J4.c35@71.425,16.094 72.06,15.459 v1(72.061,15.459)
  other v1: 61.785,6.574 62.485,6.574 63.185,6.574 61.085,7.174 61.785,7.174 62.485,7.174 63.185,7.174 4.885,7.374 5.585,7.374 61.785,7.774 62.485,7.774 63.185,7.774 4.885,8.074 5.585,8.074 6.1,30.1 6.9,30.1 6.1,30.8 6.9,30.8
P12V0_VCAP: C12.2 C14.2 C206.2 IC18.7 T1.4 | length 3.9
  Top Layer w0.3: v1(12.4,35.4) C206.2@13.5,35.4 14.8,35.4 C14.2@14.9,35.5 14.95,35.45 IC18.7@16.25,35.45